# Altium PCB PLC1.PcbDoc (part 3 of 4) (continued)
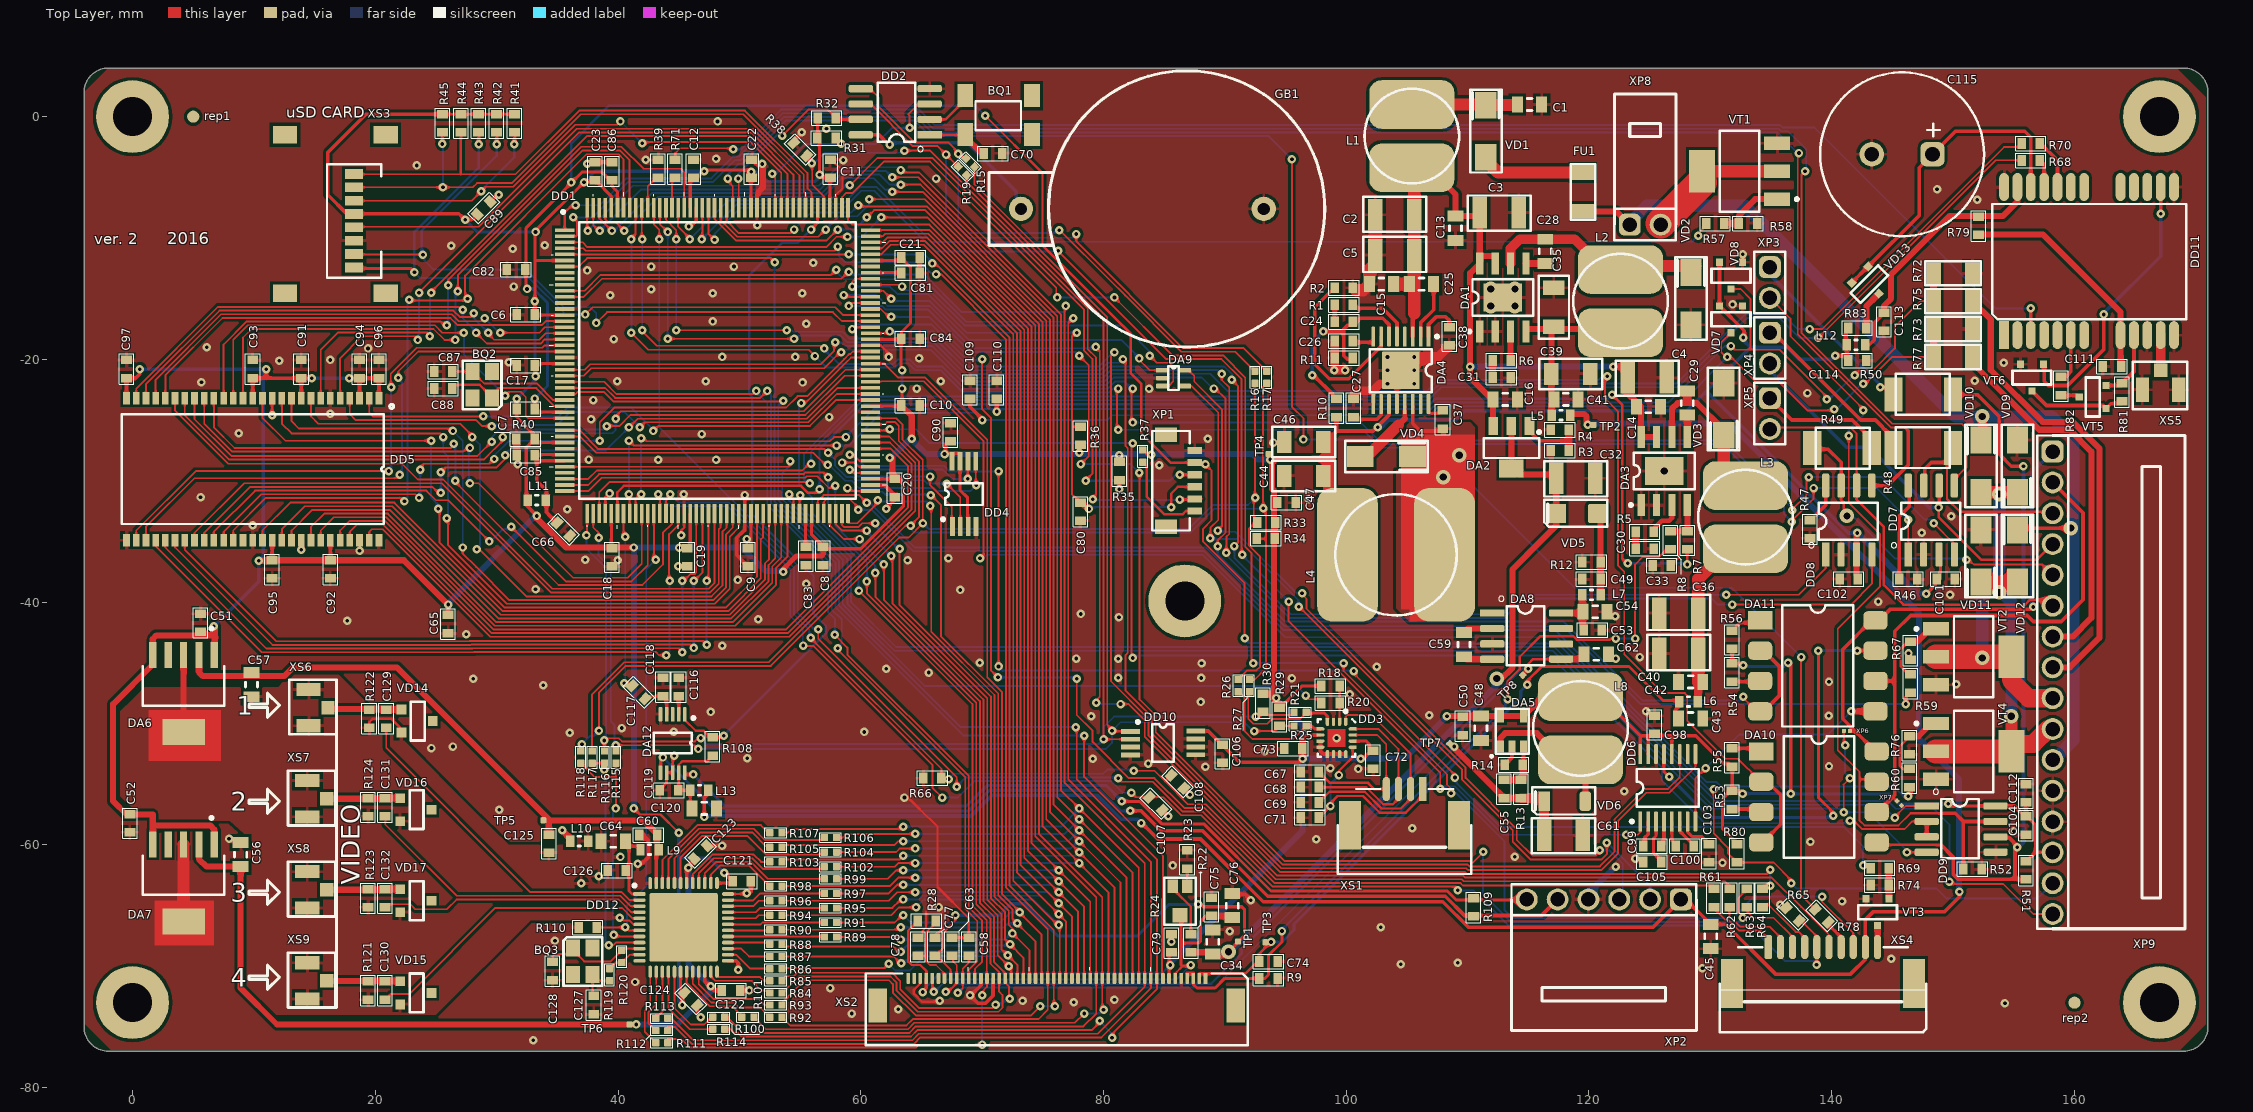
[diagram p0: Top Layer view]
## Nets (pads, with @x,y where several pads share a name; then routed paths per layer and width w, separated by ;. In a path a pad name is that pad's centre, name@x,y a point inside that pad or via, vN(x,y) a via of type N, cw(c..) or ccw(c..) an arc to the next point about the centre after c; other vN are vias at no path point) (continued)
  Top Layer w0.2: DA4.16@106.775,-23.675 106.775,-24.45 107.7,-24.45 C37.1@107.95,-24.2
NetC37_2: C37.2 DA4.14 L4.2 VD4.2 | length 8.2
  Top Layer w0.3: VD4.2@105.45,-28 VD4.2@105.475,-27.975 ; DA4.14@105.475,-23.675 105.475,-25.275 106.1,-25.9 108,-25.9 v2(108,-29.7)
  other v2: 109.3,-27.9
NetC38_1: C38.1 DA4.1 | length 3.7
  Top Layer w0.3: DA4.1@106.775,-18.125 106.775,-17.125 107.4,-16.5 108.2,-16.5 108.5,-16.8 C38.1@108.5,-17.35
NetC49_2: C49.2 L7.2 R12.1 VD5.1 | length 6.7
  Top Layer w0.5: L7.2@120.95,-39.4 C49.2@120.95,-38.1 VD5.1@120.95,-32.7
NetC53_2: C53.2 C54.2 DA8.8 L7.1 | length 4.5
  Top Layer w0.5: DA8.8@117.7,-40.9 C54.2@119.35,-40.9 ; C53.2@119.45,-42.2 L7.1@119.45,-39.4
NetC55_1: C55.1 DA5.3 R13.2 R14.1 | length 4.1
  Top Layer w0.3: R14.1@114.6,-53.55 DA5.3@114.6,-51.9
  Top Layer w0.5: C55.1@113,-54.65 R13.2@114.4,-54.65 ; R13.2@114.6,-54.65 R14.1@114.6,-53.55
NetC59_1: C59.1 DA8.4 | length 2.4
  Top Layer w0.5: C59.1@109.7,-44.5 109.91,-44.71 DA8.4@112.025,-44.71
NetC59_2: C59.2 DA8.2 | length 2.5
  Top Layer w0.5: C59.2@109.7,-42.5 110.03,-42.17 DA8.2@112.025,-42.17
NetC67_1: C67.1 DD3.15 XS1.4 | length 12.9
  Top Layer w0.15: DD3.15@100.525,-50.95 DD3.15@100.715,-50.95 102.55,-50.95 103.3,-51.7 XS1.4@103.3,-55.4
  Top Layer w0.2: C67.1@97.75,-54 98.65,-54.9 101.795,-54.9 102.297,-55.402 XS1.4@103.3,-55.402
NetC68_1: C68.1 DD3.16 XS1.3 | length 15.9
  Top Layer w0.15: DD3.16@100.525,-50.45 DD3.16@100.715,-50.45 102.65,-50.45 104.3,-52.1 XS1.3@104.3,-55.4
  Top Layer w0.2: C68.1@97.75,-55.248 97.754,-55.252 101.649,-55.252 103.049,-56.652 103.848,-56.652 104.3,-56.2 XS1.3@104.3,-55.4
NetC69_1: C69.1 DD3.1 XS1.2 | length 19.7
  Top Layer w0.15: DD3.1@99.95,-49.875 DD3.1@99.95,-49.685 99.95,-49.45 100.1,-49.3 102.1,-49.3 105.3,-52.5 XS1.2@105.3,-55.4
  Top Layer w0.2: C69.1@97.75,-56.5 98.626,-55.624 101.523,-55.624 102.903,-57.005 104.495,-57.005 105.3,-56.2 XS1.2@105.3,-55.4
NetC71_1: C71.1 DD3.13 XS1.1 | length 16.7
  Top Layer w0.2: C71.1@97.75,-57.75 v1(98.7,-56.8) 98.7,-56.55 99.273,-55.977 101.377,-55.977 102.757,-57.357 104.893,-57.357 106.3,-55.95 XS1.1@106.3,-55.4 ; v1(99.4,-54.25) 99.4,-53.9 100.193,-53.107 100.195,-53.107 100.342,-52.96 100.342,-52.958 100.525,-52.775 DD3.13@100.525,-51.95
  Bottom Layer w0.2: v1(98.7,-56.8) 98.7,-55 99.4,-54.3 v1(99.4,-54.25)
NetC78_1: C78.1 R28.2 XS2.44 | length 6.5
  Top Layer w0.15: C78.1@64.6,-69.15 65.4,-69.15 ; 65.4,-67.2 65.4,-69.15 ; 65.425,-67.175 R28.2@66.1,-66.5 ; XS2.44@66.9,-71 66.9,-70.6 66.2,-69.9 65.7,-69.9 65.4,-69.6 65.4,-69.15
NetC81_1: C81.1 DD1.125 | length 2.5
  Top Layer w0.254: DD1.125@60.8,-12.85 C81.1@63.3,-12.85
NetC83_1: C83.1 DD1.81 | length 2.8
  Top Layer w0.254: C83.1@55.45,-35.5 DD1.81@55.45,-32.7
NetC99_1: C99.1 DD6.2 | length 1.9
  Top Layer w0.15: DD6.2@124.875,-58.075 DD6.2@124.9,-58.1
  Top Layer w0.3: C99.1@124.6,-59.85 124.6,-59.4 124.875,-59.125 DD6.2@124.875,-58.075
NetC99_2: C99.2 DD6.4 | length 2
  Top Layer w0.15: C99.2@126.175,-59.925 C99.2@126.25,-60
  Top Layer w0.3: C99.2@126.175,-59.925 DD6.4@126.175,-58.075
NetC100_1: C100.1 DD6.5 | length 2.1
  Top Layer w0.254: DD6.5@126.825,-58.075 126.825,-59.675 C100.1@127.15,-60
NetC100_2: C100.2 DD6.6 | length 2.4
  Top Layer w0.254: DD6.6@127.475,-58.075 127.475,-58.875 128.6,-60 C100.2@128.65,-60
NetC103_1: C103.1 DD6.7 | length 3.1
  Top Layer w0.254: DD6.7@128.125,-58.075 128.125,-58.95 128.475,-59.3 129.25,-59.3 C103.1@129.9,-59.95
NetC105_1: C105.1 DD6.3 | length 3.8
  Top Layer w0.254: DD6.3@125.525,-58.075 125.525,-59.275 125.304,-59.496 125.304,-60.604 125.321,-60.621 125.321,-60.666 125.95,-61.295 C105.1@125.95,-61.5
NetC111_1: C111.1 DD11.8 R79.2 | length 18.7
  Top Layer w0.5: R79.2@152.25,-9.7 157.4,-9.7 163.8,-16.1 DD11.8@163.8,-18 163.8,-20.55 C111.1@163.85,-20.6
NetC113_1: C113.1 DD11.23 L12.2 R79.1 | length 21
  Top Layer w0.3: L12.2@142.75,-18.8 143.1,-18.8 143.502,-18.398 143.502,-17 143.702,-16.8 143.702,-16.798 144.2,-16.3 C113.1@144.2,-16.15
  Top Layer w0.5: C113.1@144.2,-16.15 144.3,-16.05 144.3,-15.6 144.9,-15 144.9,-13 149.7,-8.2 154.1,-8.2 155.3,-7 DD11.23@155.3,-5.8
NetC115_1: C115.1 DD11.22 VD13.1 VD13.2 | length 26.3
  Top Layer w0.3: VD13.2@141.65,-13.694 VD13.1@142.994,-12.35 147.2,-8.144 147.2,-4.2 147.6,-3.8 C115.1@148.3,-3.8 ; C115.1@148.3,-3.1 150.2,-1.2 155.9,-1.2 156.4,-1.7 DD11.22@156.4,-5.8
NetC116_2: C116.2 DA12.2 | length 1.5
  Top Layer w0.3: DA12.2@45,-49.25 C116.2@45,-47.75
NetC117_1: C117.1 C118.1 DA12.4 | length 3
  Top Layer w0.2: C117.1@42.33,-47.75 C118.1@43.7,-47.75 C118.1@44,-48.05
  Top Layer w0.3: DA12.4@44,-49.25 C118.1@44,-48.05
NetC119_2: C119.2 C120.2 DA12.9 L13.2 R108.2 | length 7.8
  Top Layer w0.2: C120.2@46.1,-57 45.95,-56.85 L13.2@45.95,-55.5 C119.2@44.95,-55.5 45,-55.45 DA12.9@45,-54.05 45,-53.4 45.3,-53.1 47.35,-53.1 R108.2@47.8,-52.65
NetC129_1: C129.1 R122.1 VD14.1 XS6.1 | length 6
  Top Layer w0.5: XS6.1@16.2,-48.8 C129.1@20.95,-48.8 ; C129.1@20.9,-48.85 VD14.1@22.15,-48.85
NetC129_2: C129.2 DD12.2 | length 27.9
  Top Layer w0.15: C129.2@20.9,-50.15 20.9,-52.017 32.779,-63.895 40.306,-63.895 40.961,-64.55 DD12.2@41.775,-64.55
NetC130_1: C130.1 DD12.5 | length 24.5
  Top Layer w0.15: C130.1@20.8,-72.75 21.25,-72.3 22.8,-72.3 29.9,-65.2 40.328,-65.2 41.178,-66.05 DD12.5@41.775,-66.05
NetC130_2: C130.2 R121.2 VD15.1 XS9.1 | length 6.1
  Top Layer w0.15: VD15.1@22,-71.2 VD15.1@22.05,-71.25
  Top Layer w0.5: XS9.1@16,-71.2 VD15.1@22,-71.2
NetC131_1: C131.1 DD12.3 | length 24.4
  Top Layer w0.15: C131.1@20.825,-57.625 20.825,-58.325 26.698,-64.198 40.181,-64.198 41.033,-65.05 DD12.3@41.775,-65.05
NetC131_2: C131.2 R124.1 VD16.1 XS7.1 | length 6
  Top Layer w0.5: XS7.1@16,-56.2 C131.2@20.75,-56.2 ; C131.2@20.8,-56.15 VD16.1@22.05,-56.15
NetC132_1: C132.1 DD12.4 | length 22
  Top Layer w0.15: C132.1@20.8,-65.15 21.05,-64.9 22.9,-64.9 23.3,-65.3 25.9,-65.3 26.7,-64.5 40.055,-64.5 41.105,-65.55 DD12.4@41.775,-65.55
NetC132_2: C132.2 R123.2 VD17.1 XS8.1 | length 6
  Top Layer w0.5: XS8.1@16,-63.7 C132.2@20.75,-63.7 ; C132.2@20.8,-63.65 VD17.1@22.05,-63.65
NetDA1_3: DA1.3 R6.2 | length 2.4
  Top Layer w0.5: DA1.3@113.535,-17.7 113.535,-20.085 R6.2@113.55,-20.1
NetDA2_1: DA2.1 R3.2 R4.1 | length 5.4
  Top Layer w0.3: DA2.1@115.1,-25.9 115.9,-26.7 118.35,-26.7
  Top Layer w0.5: DA2.1@115.1,-25.9 DA2.1@115.1,-25.5 ; R3.2@118.35,-27.5 118.35,-26.7 R4.1@118.35,-26.1
NetDA3_3: DA3.3 R5.2 | length 3.2
  Top Layer w0.4: R5.2@125.35,-34.2 125.35,-33.95 126,-33.3 126.6,-33.3 126.835,-33.065 DA3.3@126.835,-32.665
  Top Layer w0.5: DA3.3@126.835,-32.665 DA3.3@126.835,-32
NetDA4_5: DA4.5 R1.2 | length 5.3
  Top Layer w0.3: R1.2@100.55,-15.8 103,-15.8 104.175,-16.975 DA4.5@104.175,-18.125
NetDA4_7: DA4.7 R2.2 | length 14.6
  Top Layer w0.3: R2.2@98.8,-14.3 97.4,-15.7 97.4,-20.4 98.6,-21.6 100.2,-21.6 102.875,-18.925 DA4.7@102.875,-18.125
NetDA4_13: DA4.13 VD4.1 | length 6.2
  Top Layer w0.3: VD4.1@101.15,-28 VD4.1@101.7,-28 ; 104.825,-24.875 DA4.13@104.825,-23.675
  Top Layer w0.5: 104.3,-25.4 104.825,-24.875
  Top Layer w0.9: VD4.1@101.7,-28 104.3,-25.4
NetDA5_1: DA5.1 L8.1 VD6.1 | length 11.1
  Top Layer w0.5: DA5.1@112.7,-51.9 112.7,-51.2 113.1,-50.8 115.7,-50.8 117.9,-53 L8.1@118.4,-53.1 ; L8.1@119.3,-53 119.7,-53.4 VD6.1@119.7,-56.4
NetDA9_4: DA9.4 XP2.2 | length 66.9
  Top Layer w0.15: DA9.4@86.7,-22.2 87.272,-22.2 89.45,-24.378 89.45,-33.233 88.804,-33.879 v1(88.804,-34.727) v1@88.727,-34.727 ; v1(96.075,-40.375) 96.119,-40.375 109.533,-53.788 109.533,-54.61 113.725,-58.803 113.725,-59.75 115.177,-61.202 121.042,-61.202 121.475,-60.77 v1(121.475,-59.825)
  Bottom Layer w0.15: v1@88.901,-34.799 91.024,-34.799 91.891,-35.666 96.05,-39.825 v1@96.05,-40.4 ; v1@88.95,-34.8 88.8,-34.8 v1@88.727,-34.727 ; v1(121.475,-59.825) 121.5,-59.825 125.035,-63.36 XP2.2@125.035,-64.5 ; v1@88.727,-34.727 v1(88.804,-34.727) v1@88.727,-34.727
NetDA9_5: DA9.5 XP2.3 | length 64.8
  Top Layer w0.15: DA9.5@86.7,-20.9 87.025,-20.9 87.475,-21.35 87.475,-21.825 89.752,-24.102 89.752,-33.748 v1(89.4,-34.1) ; v1@89.3,-34.1 v1@89.4,-34 ; v1@96.439,-39.439 96.725,-39.725 96.725,-40.553 100.145,-43.973 100.798,-44.627 109.835,-53.663 109.835,-54.485 114.05,-58.7 114.05,-59.6 115.35,-60.9 120.5,-60.9 120.881,-60.519 v1(120.881,-60.453)
  Bottom Layer w0.15: v1(89.4,-34.1) 89.4,-33.9 89.7,-34.2 90.853,-34.2 92.194,-35.541 95.93,-39.277 v1(96.355,-39.277) ; v1(120.881,-60.453) 121.678,-60.453 122.777,-61.552 122.777,-64.218 XP2.3@122.495,-64.5
NetDA10_1: DA10.1 R55.2 | length 2.5
  Top Layer w0.15: DA10.1@133.95,-52.05 DA10.1@134.2,-52.3
  Top Layer w0.3: R55.2@131.8,-52.05 DA10.1@133.95,-52.05
NetDA10_3: DA10.3 R53.2 | length 2.4
  Top Layer w0.3: R53.2@131.8,-57.05 DA10.3@134.15,-57.05
NetDA10_5: DA10.5 DD9.6 R50.1 R51.2 | length 61.1
  Top Layer w0.2: DA10.5@143.7,-59.6 144.098,-59.998 146.45,-59.998 146.452,-60 149,-60
  Top Layer w0.3: 149,-60 150,-61 150,-62.406 150.441,-62.848 155.748,-62.848 R51.2@155.8,-62.9 ; R50.1@150,-22.9 152,-22.9 153.8,-24.7 153.8,-27.8 154.8,-28.8 v1(155.8,-28.8) v1@155.9,-28.8 ; DD9.6@153.6,-59.4 154.6,-59.4 155.4,-60.2 v1(155.3,-60.2) 155.1,-60.4 155.1,-62.848
  Bottom Layer w0.3: v1(155.3,-60.2) 155.4,-60.2 155.8,-59.8 v1(155.8,-28.8)
NetDA10_7: DA10.7 DD9.7 R52.1 XP3.2 | length 67.8
  Top Layer w0.15: XP3.2@134.9,-14.94 136.6,-16.64 136.6,-18.1 142.7,-24.2 v1(142.6,-24.2) ; v1(141.4,-26.3) 141.4,-26.4 141.3,-26.5 141.4,-26.6 141.4,-31.8 143.973,-34.373 143.973,-38.727 140.5,-42.2 140.5,-52.2 142.3,-54 142.3,-54.6 ; DA10.7@143.7,-54.6 142.3,-54.6 ; 146.5,-57.4 145.5,-58.4 142.7,-58.4 142.3,-58 142.3,-54.6
  Top Layer w0.2: 146.5,-57.402 149.2,-57.402
  Top Layer w0.3: 149.2,-57.402 149.202,-57.4 150.175,-57.4 150.85,-58.075 ; R52.1@150.85,-62 150.85,-58.075 ; DD9.7@153.5,-58.075 150.85,-58.075
  Bottom Layer w0.15: v1@141.4,-26.5 141.4,-25.8 142.6,-24.6 v1(142.6,-24.2)
NetDA11_1: DA11.1 R56.2 | length 2.7
  Top Layer w0.3: R56.2@131.8,-42.35 132.45,-41.7 133.9,-41.7 DA11.1@134.1,-41.5
NetDA11_3: DA11.3 R54.2 | length 2.3
  Top Layer w0.3: R54.2@131.8,-46.55 DA11.3@134.05,-46.55
NetDA11_5: DA11.5 DD6.8 | length 20.7
  Top Layer w0.15: DD6.8@128.775,-58.075 128.775,-54.525 v1(129.6,-53.7)
  Top Layer w0.5: v1(141.6,-49) DA11.5@143.6,-49
  Bottom Layer w0.15: v1(129.6,-53.7) 132.4,-50.9 139.7,-50.9 v1(141.6,-49)
NetDA11_7: DA11.7 DD6.13 | length 36
  Top Layer w0.254: DD6.13@126.175,-52.525 126.175,-53.975 v1(126.6,-54.4) ; v1(138.9,-44) 138.9,-56.1 140.182,-57.382 140.125,-57.439 v1(140.125,-57.6) ; v1(142.1,-44) DA11.7@143.6,-44
  Bottom Layer w0.254: v1(126.6,-54.4) 129.929,-57.729 139.871,-57.729 140.072,-57.528 140.144,-57.6 v1(140.125,-57.6) ; v1(138.9,-44) v1(142.1,-44)
NetDD1_166: DD1.166 R39.1 | length 2.9
  Top Layer w0.15: DD1.166@42.45,-7.5 42.45,-5.75 43.15,-5.05 R39.1@43.3,-5.05
NetDD2_5: DD2.5 R15.1 R16.1 | length 46.9
  Top Layer w0.15: DD2.5@60,2.3 60.75,2.3 61.475,1.575 61.475,0.808 64.408,-2.125 67.195,-2.125 68.513,-3.443 R15.1@68.668,-3.443 ; v1(76.35,-9.35) 76.4,-9.35 80.512,-13.462 81.775,-14.725 86.42,-19.37 90.87,-19.37 R16.1@92.475,-20.975
  Bottom Layer w0.15: v1(68.025,-3.075) 68.025,-8.725 68.875,-9.575 76.125,-9.575 v1(76.35,-9.35)
NetDD2_6: DD2.6 R17.1 R19.1 | length 47.5
  Top Layer w0.15: DD2.6@60,1.05 60.806,1.05 64.283,-2.427 66.327,-2.427 R19.1@68.018,-4.118 ; v1(77.754,-9.675) 77.754,-10.276 86.545,-19.068 91.543,-19.068 R17.1@93.45,-20.975
  Bottom Layer w0.15: v1(67.025,-3.125) 67.025,-8.153 68.85,-9.977 73.302,-9.977 73.305,-9.975 77.45,-9.975 77.75,-9.675 v1(77.754,-9.675)
NetDD2_8: DD2.8 GB1.2 | length 16.1
  Top Layer w0.3: DD2.8@60,-1.5 61.5,-1.5 v1@62.35,-2.35
  Bottom Layer w0.3: v1(62.4,-2.3) 62.4,-2.4 62.652,-2.148 68.773,-2.148 72.8,-6.175 GB1.2@72.8,-7.3
NetDD3_2: DD3.2 R18.1 R20.1 | length 3.3
  Top Layer w0.15: DD3.2@99.45,-49.875 DD3.2@99.45,-49.685 R20.1@99.45,-48 ; R20.1@99.45,-48.3 R18.1@99.45,-46.9
NetDD3_4: DD3.4 R21.1 R27.1 | length 9.8
  Top Layer w0.15: R27.1@92.025,-47.375 91.927,-47.473 91.927,-49.619 92.333,-50.025 93.493,-50.025 93.865,-49.652 93.926,-49.652 93.956,-49.623 96.202,-49.623 R21.1@96.7,-49.125 ; DD3.4@98.45,-49.875 DD3.4@98.45,-49.685
  Top Layer w0.25: R21.1@96.85,-49.15 98.2,-49.15 98.45,-49.4 DD3.4@98.45,-49.685
NetDD3_5: DD3.5 R25.1 R26.1 | length 10.5
  Top Layer w0.15: R26.1@91.1,-47.375 91.625,-47.9 91.625,-50.642 92.261,-51.277 95.623,-51.277 R25.1@96.7,-50.2
  Top Layer w0.25: R25.1@96.7,-50.2 97.15,-50.2 97.4,-50.45 DD3.5@97.685,-50.45
  Top Layer w0.3: DD3.5@97.685,-50.45 DD3.5@97.875,-50.45
NetDD7_8: DD7.8 R46.1 | length 8.1
  Top Layer w0.3: R46.1@145.55,-38.1 145.55,-32.95 146.4,-32.1 DD7.8@146.4,-30.4
NetDD8_8: DD8.8 R47.1 | length 3.5
  Top Layer w0.3: R47.1@138,-33 138.5,-33 139.5,-32 DD8.8@139.5,-30.4
NetDD11_3: DD11.3 R71.2 | length 122.8
  Top Layer w0.15: R71.2@44.7,-3.55 44.7,-3 45.1,-2.6 49.4,-2.6 v1(49.5,-2.7)
  Top Layer w0.3: DD11.3@156.4,-18 v1(156.4,-15.8)
  Bottom Layer w0.15: v1(49.5,-2.7) 50.145,-2.7 53.427,0.582 56.176,0.582 56.178,0.58 64.826,0.58 66.101,-0.695 135.751,-0.695 135.951,-0.895 138.57,-0.895 153.475,-15.8 v1(156.4,-15.8)
NetDD11_6: DD11.6 R82.1 | length 3.8
  Top Layer w0.3: R82.1@159.1,-21.45 159.25,-21.45 159.7,-21 DD11.6@159.7,-18
NetDD11_9: DD11.9 R81.2 VT5.2 | length 5.9
  Top Layer w0.3: VT5.2@162.6,-22.15 163.9,-22.15 163.9,-22 164.9,-21 DD11.9@164.9,-18
NetDD11_11: DD11.11 XS5.1 | length 2.6
  Top Layer w0.8: XS5.1@167.1,-20.5 DD11.11@167.1,-17.9
NetDD11_14: DD11.14 VT6.1 | length 23
  Top Layer w0.3: VT6.1@157.45,-20.4 157.5,-20.45 157.5,-21.8 157.85,-22.15 159.45,-22.15 162.4,-19.2 v1(162.4,-16.3) ; v1(167.1,-8) DD11.14@167.1,-5.8
  Bottom Layer w0.3: v1(162.4,-16.3) 162.4,-16.2 167.1,-11.5 v1(167.1,-8)
NetDD11_20: DD11.20 R70.2 | length 3.9
  Top Layer w0.3: R70.2@157.15,-2.2 157.2,-2.2 158.6,-3.6 DD11.20@158.6,-5.5
NetDD11_21: DD11.21 R68.2 | length 2.3
  Top Layer w0.3: R68.2@157.15,-3.6 157.5,-3.95 DD11.21@157.5,-5.8
NetDD12_8: DD12.8 R115.1 R118.1 | length 19.8
  Top Layer w0.15: R118.1@36.925,-53.275 38.052,-54.402 39.823,-54.402 39.825,-54.4 ; v1(39.65,-67.425) 39.775,-67.55 DD12.8@41.775,-67.55 ; v1(39.825,-57) 39.825,-54.4 ; R115.1@39.825,-53.3 39.825,-54.4
  Bottom Layer w0.15: v1(39.65,-67.425) 39.575,-67.35 39.575,-57.25 v1(39.825,-57)
NetDD12_9: DD12.9 R116.1 R117.1 | length 18.7
  Top Layer w0.15: R117.1@37.875,-53.275 R116.1@38.825,-53.275 ; v1(38.85,-53.825) R116.1@38.85,-53.3 ; v1(39.225,-68.275) 39.6,-68.275 39.825,-68.05 DD12.9@41.775,-68.05
  Bottom Layer w0.15: v1(38.85,-53.825) 38.977,-53.952 38.977,-62.839 38.975,-62.842 38.975,-67.975 v1@39.25,-68.25
NetDD12_11: DD12.11 R119.2 R120.2 | length 3
  Top Layer w0.15: R119.2@39.3,-70.2 39.8,-69.7 R120.2@40.3,-69.7 40.95,-69.05 DD12.11@41.775,-69.05
NetDD12_13: DD12.13 R111.1 | length 6.4
  Top Layer w0.15: DD12.13@42.65,-70.45 42.65,-73.222 42.2,-73.672 42.2,-75.4 42.8,-76 R111.1@43.1,-76.3
NetDD12_14: DD12.14 R112.1 | length 5.4
  Top Layer w0.15: R112.1@43.1,-75.3 42.8,-75 42.502,-74.702 42.502,-73.798 43.15,-73.15 DD12.14@43.15,-70.45
NetDD12_15: DD12.15 R113.1 | length 4
  Top Layer w0.15: 43.1,-74 43.4,-74 43.65,-73.75 DD12.15@43.65,-70.45
NetDD12_16: DD12.16 R114.1 | length 7.4
  Top Layer w0.15: DD12.16@44.15,-70.45 44.15,-73.45 45.9,-75.2 47.5,-75.2 R114.1@47.7,-75
NetDD12_17: DD12.17 R100.1 | length 6.9
  Top Layer w0.15: DD12.17@44.65,-70.45 44.65,-73.45 46,-74.8 47.1,-74.8 R100.1@47.7,-74.2
NetDD12_19: DD12.19 R101.1 | length 6.5
  Top Layer w0.15: DD12.19@45.65,-70.45 45.65,-71.378 47.572,-73.3 49.4,-73.3 R101.1@50.1,-74
NetDD12_20: DD12.20 R92.1 | length 8.4
  Top Layer w0.15: DD12.20@46.15,-70.45 46.15,-71.45 47.698,-72.998 49.525,-72.998 49.928,-73.4 51.7,-73.4 52.3,-74 R92.1@52.5,-74
NetDD12_21: DD12.21 R93.1 | length 7.7
  Top Layer w0.15: DD12.21@46.65,-70.45 46.65,-71.495 47.851,-72.695 51.595,-72.695 52.1,-73.2 52.3,-73.2 R93.1@52.5,-73
NetDD12_23: DD12.23 R84.1 | length 5.7
  Top Layer w0.15: DD12.23@47.65,-70.45 47.65,-70.85 48,-71.2 51,-71.2 51.8,-72 R84.1@52.5,-72
NetDD12_24: DD12.24 R85.1 | length 4.9
  Top Layer w0.15: DD12.24@48.15,-70.45 48.15,-70.75 48.298,-70.898 51.698,-70.898 52,-71.2 52.3,-71.2 R85.1@52.5,-71
NetDD12_26: DD12.26 R86.1 | length 3.9
  Top Layer w0.15: DD12.26@49.05,-69.05 49.75,-69.05 50.9,-70.2 R86.1@52.5,-70.2
NetDD12_27: DD12.27 R87.1 | length 3.7
  Top Layer w0.15: DD12.27@49.05,-68.55 50.15,-68.55 50.8,-69.2 R87.1@52.5,-69.2
NetDD12_28: DD12.28 R88.1 | length 3.5
  Top Layer w0.15: DD12.28@49.05,-68.05 52.35,-68.05 R88.1@52.5,-68.2
NetDD12_29: DD12.29 R89.1 | length 8
  Top Layer w0.15: DD12.29@49.05,-67.55 56.95,-67.55 R89.1@57,-67.6
NetDD12_30: DD12.30 R90.1 | length 3.5
  Top Layer w0.15: DD12.30@49.05,-67.05 52.45,-67.05 R90.1@52.5,-67
NetDD12_31: DD12.31 R91.1 | length 8
  Top Layer w0.15: DD12.31@49.05,-66.55 51.75,-66.55 51.9,-66.4 R91.1@57,-66.4
NetDD12_32: DD12.32 R94.1 | length 3.6
  Top Layer w0.15: DD12.32@49.05,-66.05 51.35,-66.05 51.6,-65.8 R94.1@52.5,-65.8
NetDD12_33: DD12.33 R95.1 | length 8.1
  Top Layer w0.15: DD12.33@49.05,-65.55 51.35,-65.55 51.7,-65.2 R95.1@57,-65.2
NetDD12_34: DD12.34 R96.1 | length 3.6
  Top Layer w0.15: DD12.34@49.05,-65.05 51.15,-65.05 51.6,-64.6 R96.1@52.5,-64.6
NetDD12_35: DD12.35 R97.1 | length 8.2
  Top Layer w0.15: DD12.35@49.05,-64.55 49.077,-64.577 51.123,-64.577 51.7,-64 R97.1@57,-64
NetDD12_38: DD12.38 R98.1 | length 6.6
  Top Layer w0.15: DD12.38@47.65,-63.15 47.65,-62.45 48.388,-61.712 50.812,-61.712 R98.1@52.5,-63.4
NetDD12_39: DD12.39 R99.1 | length 11.6
  Top Layer w0.15: DD12.39@47.15,-63.15 47.15,-62.35 48.09,-61.41 50.937,-61.41 52.328,-62.8 R99.1@57,-62.8
NetDD12_40: DD12.40 R102.1 | length 12.1
  Top Layer w0.15: DD12.40@46.65,-63.15 46.65,-62.35 47.893,-61.107 51.063,-61.107 51.955,-62 56.8,-62 R102.1@57,-61.8
NetDD12_41: DD12.41 R103.1 | length 8
  Top Layer w0.15: DD12.41@46.15,-63.15 46.15,-62.422 47.768,-60.805 51.188,-60.805 51.783,-61.4 R103.1@52.5,-61.4
NetDD12_43: DD12.43 R104.1 | length 15.4
  Top Layer w0.15: DD12.43@45.15,-63.15 45.15,-61.033 46.906,-59.277 47.823,-59.277 50.677,-59.277 52.2,-60.8 56.8,-60.8 R104.1@57,-60.6
NetDD12_44: DD12.44 R105.1 | length 11.2
  Top Layer w0.15: DD12.44@44.65,-63.15 44.65,-61.105 46.781,-58.974 47.479,-58.974 51.047,-58.974 52.172,-60.1 52.3,-60.1 R105.1@52.4,-60.2
NetDD12_45: DD12.45 R106.1 | length 16.2
  Top Layer w0.15: DD12.45@44.15,-63.15 44.15,-61.178 46.656,-58.672 51.172,-58.672 52.1,-59.6 R106.1@57,-59.6
NetDD12_46: DD12.46 R107.1 | length 12.2
  Top Layer w0.15: DD12.46@43.65,-63.15 43.65,-61.25 46.531,-58.369 51.769,-58.369 R107.1@52.5,-59.1
NetFU1_2: FU1.2 VD1.1 | length 8.7
  Top Layer w1: VD1.1@111.5,-3.35 111.5,-3.6 112.5,-4.6 FU1.2@119.5,-4.6
NetR22_2: R22.2 R24.3 | length 4.6
  Top Layer w0.2: R24.3@85.9,-63.4 85.9,-63.8 87.197,-65.097 87.197,-65.149 87.2,-65.152 87.2,-67.15 R22.2@87.4,-67.35
NetR23_1: R23.1 R24.1 | length 1.4
  Top Layer w0.2: R24.1@86.9,-63.4 R23.1@86.9,-61.95
NetR37_1: R37.1 XP1.1 | length 7.6
  Top Layer w0.2: R37.1@83.225,-28.475 83.575,-28.825 83.575,-31.325 85.027,-32.777 86.498,-32.777 86.775,-32.5 XP1.1@87.5,-32.5
NetR48_2: R48.2 XP4.1 | length 15.2
  Top Layer w0.3: XP4.1@134.9,-17.8 135.2,-17.8 142.4,-25 143.6,-25 144.8,-26.2 144.8,-27.4 145,-27.6 R48.2@145.3,-27.6
NetR49_2: R49.2 XP5.1 | length 10.7
  Top Layer w0.15: R49.2@143.5,-27.4 R49.2@143.5,-26.8
  Top Layer w0.3: XP5.1@134.9,-23.2 136.7,-25 141.7,-25 R49.2@143.5,-26.8
NetR50_2: R50.2 XP3.1 | length 15.2
  Top Layer w0.3: v1(144,-22.3) 144,-22.2 144.1,-22.3 144.5,-22.3 R50.2@145.1,-22.9
  Bottom Layer w0.3: XP3.1@134.9,-12.4 134.9,-13 144,-22.1 v1@143.8,-22.3
NetR57_2: R57.2 R58.2 VT1.1 | length 5.6
  Top Layer w0.5: R57.2@131.15,-8.8 R58.2@132.35,-8.8 132.35,-8.15 133.7,-6.8 VT1.1@135.5,-6.8
NetR59_2: R59.2 R67.2 VT2.1 | length 6.1
  Top Layer w0.2: R67.2@146.302,-43.25 145.7,-43.852 145.7,-45.3 146.35,-45.95 R59.2@146.5,-45.95
  Top Layer w0.5: R67.2@146.302,-43.25 R67.2@146.5,-43.25 147.05,-43.25 148.1,-42.2 VT2.1@148.6,-42.2
NetR60_2: R60.2 R76.2 VT4.1 | length 6.4
  Top Layer w0.2: R76.2@146.45,-51.05 145.602,-51.898 145.602,-53.502 145.85,-53.75 R60.2@146.5,-53.75
  Top Layer w0.5: R76.2@146.45,-51.05 146.5,-51.05 147.15,-51.05 148.2,-50 VT4.1@148.6,-50
NetR61_1: R61.1 XS4.1 | length 6.6
  Top Layer w0.15: R61.1@130.275,-64.875 130.375,-64.975 130.375,-65.325 131.223,-66.173 131.456,-66.173 132.334,-67.05 134.1,-67.05 134.775,-67.725 XS4.1@134.775,-68.425
NetR62_1: R62.1 XS4.2 | length 6.7
  Top Layer w0.15: R62.1@131.575,-64.875 131.575,-65.864 132.459,-66.748 134.898,-66.748 135.775,-67.625 XS4.2@135.775,-68.425
NetR63_1: R63.1 XS4.3 | length 6.1
  Top Layer w0.15: R63.1@132.875,-64.875 132.875,-65.325 133.55,-66 135.2,-66 136.775,-67.575 XS4.3@136.775,-68.425
NetR64_1: R64.1 XS4.4 | length 5.4
  Top Layer w0.15: R64.1@134.275,-64.875 134.725,-64.875 137.025,-67.175 137.275,-67.175 137.775,-67.675 XS4.4@137.775,-68.425
NetR69_2: R69.2 R74.2 VT3.1 | length 2.5
  Top Layer w0.15: VT3.1@144.7,-64.425 VT3.1@144.725,-64.45
  Top Layer w0.5: VT3.1@144.7,-64.425 R74.2@144.7,-63.325 R69.2@144.7,-61.925
NetR75_1: R75.1 XP9.8 | length 38.4
  Top Layer w0.5: R75.1@151.6,-15.2 153.1,-16.7 153.1,-20.877 157.37,-25.148 159.87,-25.148 162.052,-27.33 162.052,-42.948 159.62,-45.38 XP9.8@158.2,-45.38
NetR77_1: R77.1 XP9.7 | length 30.9
  Top Layer w0.5: R77.1@151.6,-19.8 151.6,-20.3 157.1,-25.8 159.6,-25.8 161.4,-27.6 161.4,-41.3 159.86,-42.84 XP9.7@158.2,-42.84
NetR78_1: R78.1 XS4.7 | length 2.6
  Top Layer w0.254: R78.1@139.505,-66.355 140.775,-67.625 XS4.7@140.775,-68.425
NetR81_1: R81.1 VT5.1 VT6.3 | length 8.2
  Top Layer w0.3: VT6.3@156.5,-22.6 157.7,-23.8 162.35,-23.8 VT5.1@162.6,-24.05 163,-23.65 R81.1@163.9,-23.65
NetR82_2: R82.2 VT5.3 | length 1.6
  Top Layer w0.3: R82.2@158.9,-22.95 160.25,-22.95 VT5.3@160.4,-23.1
NetR83_1: R83.1 VD13.3 | length 3.2
  Top Layer w0.5: R83.1@142.85,-17.4 142.85,-15.606 VD13.3@143.878,-14.578
NetVD9_2: VD9.2 VD10.1 VT2.2 VT2.4 XP9.9 | length 29.3
  Top Layer w1: VD10.1@152.3,-30.95 VD9.2@155.3,-30.95
  Top Layer w1.5: VT2.4@154.8,-44.5 154.8,-46.5 156.22,-47.92 XP9.9@158.2,-47.92
  Top Layer w2: VT2.2@148.6,-44.5 VT2.4@154.8,-44.5
  Bottom Layer w1: v2(152.4,-44.6) 152.4,-38.7 153.8,-37.3 v2(153.8,-31.1)
NetVD11_2: VD11.2 VD12.1 VT4.2 VT4.4 XP9.10 | length 26.7
  Top Layer w1: VD11.2@152.3,-38.35 VD12.1@155,-38.35 ; v2(154.8,-49.4) VT4.4@154.8,-52.3 VT4.4@155.4,-51.7
  Top Layer w1.5: VT4.4@155.4,-51.7 156.6,-51.7 157.84,-50.46 XP9.10@158.2,-50.46
  Top Layer w2: VT4.2@148.6,-52.3 VT4.4@154.8,-52.3
  Bottom Layer w1: v2(153.8,-39.2) 153.998,-39.2 154.8,-40.002 v2(154.8,-49.4)